# Altium PCB ESP32-SIM800C_KIEN.PcbDoc (part 2 of 2)
Units mm, origin at the board's own origin, x right, y up, seen from the top; angles counter-clockwise.
Board outline 122.45 x 88.5 mm, 4 copper layers (Top Layer, Int1 (GND), Int2 (PWR), Bottom Layer), stack 1.369 mm thick; 148 components, 93 nets, 483 pads, 250 vias.
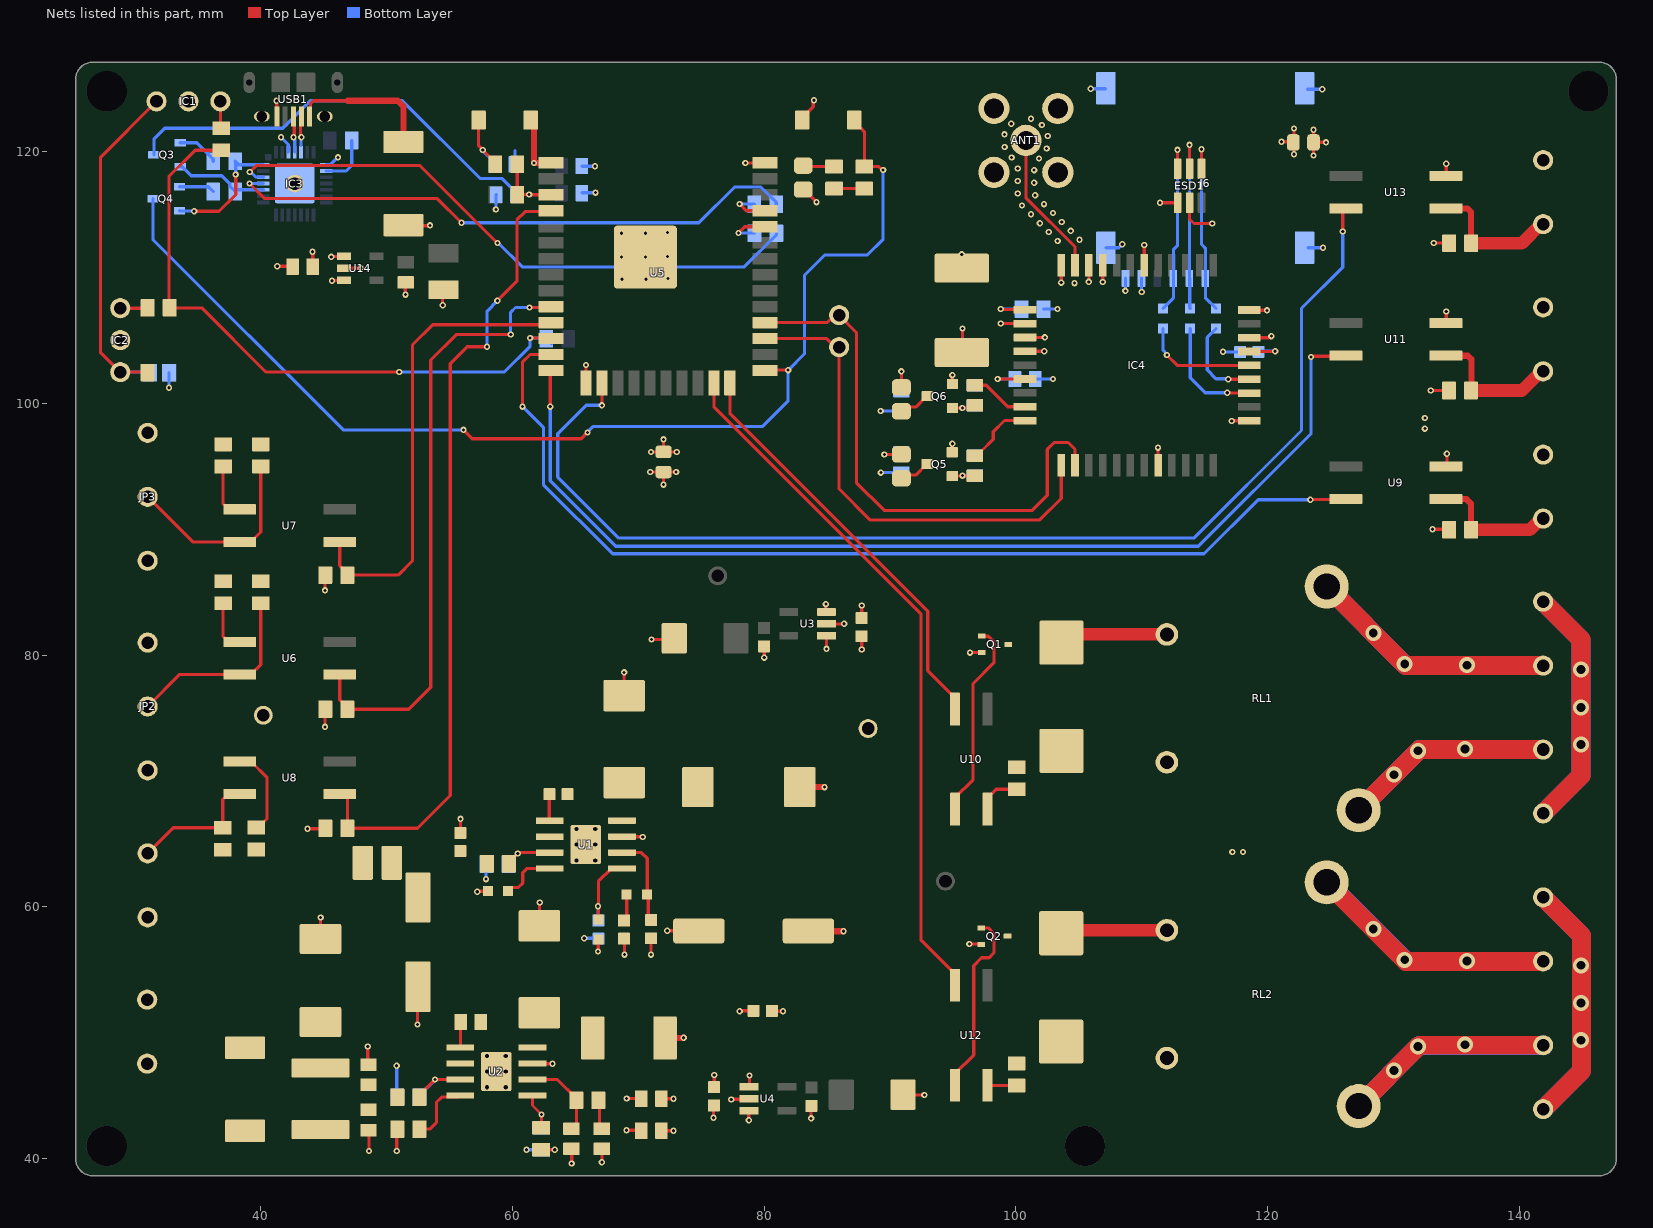
[diagram p4: the nets of this part, all layers, seen from the top]

## Via types
v1: diameter 0.5, hole 0.25, Top Layer to Bottom Layer, tented both sides, 229 vias
v2: diameter 1.27, hole 0.7, Top Layer to Bottom Layer, 19 vias
v3: diameter 1.27, hole 0.711, Top Layer to Bottom Layer, 2 vias

## Nets (pads, with @x,y where several pads share a name; then routed paths per layer and width w, separated by ;. In a path a pad name is that pad's centre, name@x,y a point inside that pad or via, vN(x,y) a via of type N, cw(c..) or ccw(c..) an arc to the next point about the centre after c; other vN are vias at no path point) (continued)
4.4V: 4V4.1 C4.1 C5.2 C16.2 C19.2 C29.1 C30.1 IC4.34 IC4.35 L1.2 R1.2 R44.1 R45.1 U3.1 U3.3 U4.1 U4.3 | length 22.1
  Top Layer w0.254: v1(66.8,56.45) 66.813,56.463 66.813,57.379 R1.2@66.826,57.392 ; C19.2@76.033,45.59 v1@76.033,46.636 ; v1(78.778,43.041) 78.778,43.778 U4.3@78.8,43.8 ; U4.1@78.827,45.561 v1@78.827,46.59 ; C5.2@80.607,51.735 80.642,51.7 v1(81.5,51.7) ; v1(84.9,84.05) 84.9,83.481 U3.3@84.951,83.43 ; v1(84.95,80.5) v1(84.95,80.5) U3.1@84.951,81.53 ; v1@87.745,80.455 C16.2@87.745,81.501 ; C30.1@95.7,104.05 95.75,104.1 v1(95.75,105.95) ; v1(98.8,106.35) 98.803,106.347 100.724,106.347 IC4.35@100.727,106.343 ; v1(98.8,107.5) 98.828,107.472 100.699,107.472 IC4.34@100.727,107.443
  Top Layer w0.5: L1.2@82.826,69.515 84.787,69.515 v1(84.794,69.508) ; C4.1@84.326,58.065 v1@86.287,58.065 ; v1@87.745,80.455 v1(87.75,80.45)
  Bottom Layer w0.254: v1(89.25,99.4) 90.882,99.4 R45.1@90.901,99.382 ; v1(89.268,94.502) R44.1@90.901,94.502 ; v1(98.8,107.5) 100.446,107.5 C29.1@100.451,107.495
  other v1: 78.828,46.591 76.028,46.641 86.294,58.058
5V: 5V.1 C9.2 C12.2 C28.2 D5.2 D6.2 D7.2 IC3.8 L3.2 R7.2 R28.2 R30.2 RL1.1 RL2.1 U9.4 U11.4 U13.4 U14.1 U14.3 | length 12.4
  Top Layer w0.254: C28.2@44.122,111.071 v1@44.122,112.028 ; v1(45.6,111.65) 45.622,111.672 46.579,111.672 U14.1@46.601,111.694 ; v1@45.672,109.772 U14.3@46.629,109.772 ; D7.2@52.471,114.128 v1@53.428,114.128 ; R7.2@62.266,40.692 62.274,40.7 v1(63.35,40.7) ; C9.2@71.829,42.21 71.839,42.2 v1(72.8,42.2) ; C12.2@71.829,44.75 v1(72.8,44.75) ; U11.4@134.2,106.365 v1(134.2,107.3) ; U13.4@134.2,118.115 v1(134.2,119.05) ; U9.4@134.25,95.065 v1(134.25,96)
  Top Layer w0.5: L3.2@72.126,49.576 73.576,49.576 v1(73.6,49.6)
  Bottom Layer w0.254: IC3.8@45.194,118.975 45.217,118.998 45.567,118.998 46.128,119.558 v1(46.135,119.558)
  other v1: 117.2,64.35 118.05,64.35 132.5,98 132.5,98.85 45.65,109.75 44.1,112.05 53.45,114.15
12V: C10.2 C11.2 D2.2 F1.2 JP2.3 JP3.3 L2.1 R8.2 R15.2 R16.2 R17.2 R18.2 R22.2 R23.2 U2.2
BUTTON: JP4.2 R22.1 U8.2 | length 10.6
  Top Layer w0.254: JP4.2@31,64.25 33.039,66.289 R22.1@36.971,66.289 36.971,68.537 37.12,68.686 38.047,68.686 U8.2@38.32,68.959
DGND: C21.1 C22.1 C23.1 C24.2 R50.2 SW1.1 U5.1 U5.15 U5.38 U5.39 | length 15.3
  Top Layer w0.254: v1(65.843,103.059) 65.845,103.057 U5.15@65.845,101.616 ; v1(71,96.15) R50.2@72,96.15 v1(72,97.15) ; R50.2@72.05,96.15 v1(73.05,96.15) ; v1(78.5,119.1) 80.034,119.1 U5.38@80.06,119.126
  Top Layer w0.5: SW1.1@61.45,122.519 SW1.1@61.452,122.517 61.7,122.269 v1(61.7,119.1) 63.034,119.1 U5.1@63.06,119.126
  Bottom Layer w0.254: v1(58.675,115.42) 58.675,116.557 C23.1@58.704,116.586 ; C24.2@60.177,118.999 60.2,119.022 60.2,120.1 ; C21.1@65.511,116.713 65.548,116.75 v1(66.6,116.75) ; C22.1@65.511,118.872 65.533,118.85 v1(66.55,118.85)
  other v1: 68.71,109.876 70.61,109.876 72.36,109.926 68.66,111.626 70.56,111.626 72.31,111.676 68.66,113.526 70.56,113.526 72.31,113.576
EN: C23.2 Q3.3 R13.2 R14.2 U5.3 | length 40.6
  Top Layer w0.254: R14.2@60.379,118.999 R13.2@60.379,116.586 60.39,116.597 v1(61.323,116.597) ; v1@61.312,116.586 U5.3@63.06,116.586
  Bottom Layer w0.254: Q3.3@31.502,119.761 31.522,119.781 31.522,121.029 32.367,121.875 41.735,121.875 43.911,124.05 51.249,124.05 57.413,117.886 59.154,117.886 60.304,116.736 C23.2@60.304,116.586 60.315,116.597 v1(61.323,116.597)
IO0: Q4.3 R33.2 SW2.1 U5.25 | length 92.5
  Top Layer w0.254: v1(56.1,97.9) 56.8,97.2 65.45,97.2 v1(65.95,97.7) ; U5.25@80.06,102.616 80.094,102.65 v1(81.9,102.65) ; SW2.1@87.16,122.517 87.16,122.338 87.604,121.894 87.656,121.894 87.963,121.587 R33.2@87.963,118.82 89.114,118.82 89.383,118.55 v1(89.45,118.55)
  Bottom Layer w0.254: Q4.3@31.434,116.271 31.434,113.016 46.55,97.9 v1(56.1,97.9) ; v1(65.95,97.7) 66.425,98.175 79.874,98.175 81.9,100.201 v1(81.9,102.65) 83.2,103.95 83.2,110.2 84.8,111.8 88.2,111.8 89.45,113.05 v1(89.45,118.55)
NetANT1_1: ANT1.1 IC4.32 | length 11.5
  Top Layer w0.254: ANT1.1@100.8,120.9 100.8,116.35 104.699,112.451 IC4.32@104.699,110.977
NetC1_1: C1.1 U1.1 | length 2.1
  Top Layer w0.254: C1.1@62.925,68.95 62.925,66.87 U1.1@62.947,66.848
NetC1_2: C1.2 D1.2 L1.1 U1.8
NetC2_1: C2.1 C3.2 L2.2 R2.2 U1.2
NetC6_2: C6.2 R3.2 U1.6 | length 7.2
  Top Layer w0.254: U1.6@68.697,64.308 70.242,64.308 70.7,63.85 70.7,61.012 R3.2@70.674,60.986 70.784,60.876 70.784,59.187 C6.2@71.017,58.954
NetC7_2: C7.2 R3.1 | length 2.2
  Top Layer w0.254: C7.2@68.858,58.917 69.074,59.133 R3.1@69.074,60.986
NetC8_1: C8.1 D3.2 L3.1 U2.8
NetC8_2: C8.2 U2.1 | length 2
  Top Layer w0.254: U2.1@55.835,48.814 55.878,48.857 C8.2@55.878,50.846
NetC13_2: C13.2 R9.2 U2.6 | length 6.7
  Top Layer w0.254: U2.6@61.585,46.274 63.573,46.274 65.074,44.773 R9.2@65.074,44.623 65.074,42.74 64.701,42.367 C13.2@64.679,42.367
NetC14_2: C14.2 R9.1 | length 2.4
  Top Layer w0.254: R9.1@66.824,44.623 66.905,44.541 66.905,42.554 C14.2@67.092,42.367
NetC24_1: C24.1 R14.1 SW1.2 | length 5.6
  Top Layer w0.254: SW1.2@57.302,122.517 57.302,120.476 v1(57.639,120.139) 58.629,119.149 R14.1@58.629,118.999
  Bottom Layer w0.254: v1(57.639,120.139) 57.639,120.087 58.577,119.149 C24.1@58.577,118.999
NetC25_1: C25.1 IC1.1 IC2.1 R21.1 | length 29
  Top Layer w0.254: R21.1@31.225,102.45 31.186,102.489 IC2.1@28.829,102.489 27.25,104.068 27.25,119.54 IC1.1@31.71,124
  Bottom Layer w0.254: IC2.1@28.829,102.489 31.311,102.489 C25.1@31.35,102.45
NetD4_1: D4.1 JP1.1
NetD4_2: D4.2 F1.1
NetD5_1: D5.1 Q1.3 RL1.2 | length 8.6
  Top Layer w1: D5.1@103.619,80.999 104.267,81.647 RL1.2@111.997,81.647
NetD6_1: D6.1 Q2.3 RL2.2 | length 8.5
  Top Layer w1: D6.1@103.996,56.984 105.152,58.14 RL2.2@111.997,58.14
NetD8_1: D8.1 R34.2 | length 2.5
  Top Layer w0.254: D8.1@83.1,118.9 83.18,118.82 R34.2@85.55,118.82
NetESD1_4: ESD1.4 J6.3 R42.2 | length 14.7
  Top Layer w0.254: ESD1.4@114.75,118.65 v1(114.75,120.2)
  Bottom Layer w0.254: v1(114.75,120.2) 114.75,112.65 115.06,112.34 J6.3@115.06,109.947 115.06,108.39 R42.2@115.9,107.55
NetESD1_5: ESD1.5 J6.7 R43.2 | length 14.9
  Top Layer w0.254: ESD1.5@113.8,118.65 v1(113.8,120.55)
  Bottom Layer w0.254: v1(113.8,120.55) 113.79,120.54 J6.7@113.79,109.947 113.82,109.917 113.82,107.58 R43.2@113.85,107.55
NetESD1_6: ESD1.6 J6.2 R41.2 | length 14.6
  Top Layer w0.254: ESD1.6@112.85,118.65 v1(112.85,120.15)
  Bottom Layer w0.254: R41.2@111.7,107.55 112.52,108.37 J6.2@112.52,109.947 112.52,112.23 112.85,112.56 v1(112.85,120.15)
NetIC1_3: IC1.3 R25.1 | length 2.1
  Top Layer w0.254: IC1.3@36.79,124 36.79,121.935 R25.1@36.85,121.875
NetIC2_3: IC2.3 R26.1 | length 2.2
  Top Layer w0.254: IC2.3@28.829,107.569 R26.1@31,107.569
NetIC3_9: IC3.9 R37.2 | length 4.2
  Bottom Layer w0.254: IC3.9@45.194,118.475 46.775,118.475 47.225,118.925 R37.2@47.225,120.9
NetIC3_25: IC3.25 R36.2 | length 46.1
  Top Layer w0.254: v1(39.1,117.479) 40.299,116.28 54.027,116.28 v1(55.948,114.359)
  Bottom Layer w0.254: v1(39.1,117.479) 39.102,117.477 40.192,117.477 IC3.25@40.194,117.475 ; v1(55.948,114.359) 74.809,114.359 77.65,117.2 79.727,117.2 80.953,115.974 R36.2@80.953,115.824
NetIC3_26: IC3.26 R35.2 | length 47.8
  Top Layer w0.254: v1(39.123,118.391) 39.632,118.9 52.65,118.9 v1(58.8,112.75)
  Bottom Layer w0.254: v1(39.123,118.391) 39.19,118.391 39.584,117.998 40.171,117.998 IC3.26@40.194,117.975 ; v1(58.8,112.75) 58.867,112.75 60.767,110.85 78.429,110.85 80.967,113.388 R35.2@80.967,113.538
NetIC4_39: IC4.39 R40.1 | length 3.6
  Top Layer w0.254: v1(98.55,101.95) 98.557,101.943 IC4.39@100.727,101.943
  Bottom Layer w0.254: v1(98.55,101.95) 99.92,101.95 R40.1@99.927,101.943
NetJP5_1: JP5.1 JP6.2 | length 38.6
  Top Layer w1.5: JP6.2@141.9,67.42 144.9,70.42 144.9,81.25 JP5.1@141.9,84.25
  Bottom Layer w1.5: JP6.2@141.9,67.42 141.9,67.423 144.903,70.426 144.903,81.243 141.9,84.246 JP5.1@141.9,84.25
  other v2: 144.9,72.9 144.9,75.85 144.9,78.85
NetJP5_2: JP5.2 RL1.3 | length 39.6
  Top Layer w1.5: RL1.3@124.697,85.457 130.984,79.17 JP5.2@141.9,79.17
  Bottom Layer w1.5: RL1.3@124.697,85.457 124.703,85.457 130.995,79.166 141.896,79.166 JP5.2@141.9,79.17
  other v2: 135.85,79.2 130.9,79.3 128.4,81.75
NetJP6_1: JP6.1 RL1.4 | length 33.3
  Top Layer w1.5: RL1.4@127.237,67.677 132.06,72.5 JP6.1@141.9,72.5
  Bottom Layer w1.5: RL1.4@127.237,67.677 127.237,67.687 132.05,72.5 JP6.1@141.9,72.5
  other v2: 130.05,70.5 131.95,72.4 135.7,72.55
NetJP7_1: JP7.1 JP8.2 | length 38.7
  Top Layer w1.5: JP8.2@141.9,43.92 144.95,46.97 144.95,57.7 JP7.1@141.9,60.75
  Bottom Layer w1.5: JP8.2@141.9,43.92 141.9,43.927 144.953,46.98 144.953,57.691 141.9,60.744 JP7.1@141.9,60.75
  other v2: 144.9,49.4 144.9,52.35 144.9,55.35
NetJP7_2: JP7.2 RL2.3 | length 39.6
  Top Layer w1.5: RL2.3@124.697,61.95 130.977,55.67 JP7.2@141.9,55.67
  Bottom Layer w1.5: RL2.3@124.697,61.95 124.75,61.95 131.045,55.655 141.885,55.655 JP7.2@141.9,55.67
  other v2: 135.85,55.693 135.85,55.693 130.9,55.793 128.4,58.243
  other v3: 130.9,55.793 128.4,58.243
NetJP8_1: JP8.1 RL2.4 | length 33.3
  Top Layer w1.5: RL2.4@127.237,44.17 132.067,49 JP8.1@141.9,49
  Bottom Layer w1.5: RL2.4@127.237,44.17 127.238,44.17 132.061,48.992 141.892,48.992 JP8.1@141.9,49
  other v2: 130.05,46.993 131.95,48.893 135.7,49.043
NetLED1_1: LED1.1 R44.2 | length 2.8
  Top Layer w0.254: v1(89.55,95.95) LED1.1@90.9,95.95
  Bottom Layer w0.254: v1(89.55,95.95) 90.749,95.95 R44.2@90.901,96.102
NetLED1_2: LED1.2 Q5.3 | length 2.5
  Top Layer w0.254: LED1.2@90.9,94.05 91.157,94.307 92.031,94.307 92.899,95.175 Q5.3@92.949,95.175
NetLED2_1: LED2.1 R45.2 | length 2.8
  Top Layer w0.254: LED2.1@90.9,101.282 v1(90.9,102.55)
  Bottom Layer w0.254: R45.2@90.9,100.982 v1(90.9,102.55)
NetLED2_2: LED2.2 Q6.3 | length 2.6
  Top Layer w0.254: LED2.2@90.901,99.382 91.227,99.708 92.032,99.708 92.915,100.591 Q6.3@92.965,100.591
NETLIGHT: IC4.41 R47.1 | length 4.7
  Top Layer w0.254: R47.1@96.743,101.452 97.648,101.452 99.357,99.743 IC4.41@100.727,99.743
NetQ1_1: Q1.1 U10.3 | length 15.7
  Top Layer w0.254: U10.3@95.155,67.766 95.155,68.666 96.6,70.111 96.6,77.75 98.271,79.421 98.271,81.029 97.797,81.503 97.293,81.503 Q1.1@97.285,81.511
NetQ2_1: Q2.1 U12.3 | length 14.9
  Top Layer w0.254: U12.3@95.155,45.825 95.155,46.725 96.65,48.22 96.65,55.331 97.269,55.95 97.874,55.95 98.263,56.34 98.263,57.859 97.799,58.323 Q2.1@97.235,58.323
NetQ3_2: Q3.2 R38.1 | length 3.3
  Bottom Layer w0.254: Q3.2@33.602,120.711 34.907,120.711 36.215,119.403 R38.1@36.215,119.253
NetQ4_2: Q4.2 R39.1 | length 2.8
  Bottom Layer w0.254: Q4.2@33.534,117.221 35.834,117.221 R39.1@36.215,116.84
NetQ5_1: Q5.1 R46.2 R48.1 | length 2.8
  Top Layer w0.254: Q5.1@94.949,94.225 96.72,94.225 R46.2@96.743,94.248
  Bottom Layer w0.254: v1(95.755,94.261) 96.729,94.261 R48.1@96.743,94.248
NetQ6_1: Q6.1 R47.2 R49.1 | length 2.9
  Top Layer w0.254: Q6.1@94.965,99.641 v1(95.748,99.641) 96.532,99.641 R47.2@96.743,99.852
  Bottom Layer w0.254: v1(95.748,99.641) 96.532,99.641 R49.1@96.743,99.852
NetR1_1: R1.1 R4.2 U1.5 | length 6.5
  Top Layer w0.254: R1.1@66.826,58.992 66.826,62.017 67.847,63.038 U1.5@68.697,63.038
  Bottom Layer w0.254: v1(66.8,60.05) 66.8,59.15 66.85,59.1 66.826,59.076 R4.2@66.826,58.917
NetR2_1: R2.1 R5.2 U1.3 | length 4.9
  Top Layer w0.254: R2.1@59.726,63.419 59.726,63.569 60.465,64.308 U1.3@62.947,64.308
  Bottom Layer w0.254: R5.2@59.675,63.4 59.675,63.525 59.65,63.55 59.729,63.55 v1(60.42,64.241)
NetR6_1: R6.1 U1.4 | length 4.5
  Top Layer w0.254: R6.1@59.637,61.26 59.91,61.533 60.456,61.533 60.811,61.888 60.811,62.711 61.138,63.038 U1.4@62.947,63.038
NetR7_1: R7.1 R10.2 U2.5 | length 3.9
  Top Layer w0.254: U2.5@61.585,45.004 61.585,44.215 v1(62.3,43.5) 62.3,42.476 R7.1@62.266,42.442
  Bottom Layer w0.254: R10.2@62.266,42.442 62.3,42.476 v1(62.3,43.5)
NetR8_1: R8.1 R11.2 U2.3 | length 5.8
  Top Layer w0.254: R8.1@52.6,44.877 52.6,45.027 53.623,46.05 v1(53.847,46.274) U2.3@55.835,46.274
  Bottom Layer w0.254: R11.2@52.6,44.877 52.6,45.027 v1(53.847,46.274)
NetR12_1: R12.1 U2.4 | length 5.3
  Top Layer w0.254: R12.1@52.6,42.337 53.437,42.337 53.95,42.85 53.95,44.45 54.381,44.881 55.712,44.881 U2.4@55.835,45.004
NetR16_1: R16.1 U6.1 | length 4.1
  Top Layer w0.254: R16.1@37,84.125 37,81.478 37.42,81.058 U6.1@38.32,81.058
NetR18_1: R18.1 U7.1 | length 4.5
  Top Layer w0.254: R18.1@37,95 37,92.012 37.42,91.592 U7.1@38.32,91.592
NetR19_2: R19.2 U5.10 U6.3 | length 48.7
  Top Layer w0.254: U6.3@46.27,78.468 46.27,76.454 46.875,75.849 R19.2@46.875,75.699 51.749,75.699 53.5,77.45 53.5,103.45 55.525,105.475 v1(59.858,105.475) ; v1(61.349,107.625) 62.989,107.625 U5.10@63.06,107.696
  Bottom Layer w0.254: v1(59.858,105.475) 59.85,105.484 59.85,107.235 60.24,107.625 v1(61.349,107.625)
NetR20_2: R20.2 U5.11 U7.3 | length 37.4
  Top Layer w0.254: U7.3@46.27,89.002 46.27,87.115 46.875,86.51 R20.2@46.875,86.36 50.91,86.36 52.05,87.5 52.05,104.65 53.65,106.25 62.884,106.25 U5.11@63.06,106.426
NetR23_1: R23.1 U8.1 | length 7.1
  Top Layer w0.254: U8.1@38.32,71.549 39.22,71.549 40.5,70.269 40.5,67.015 40.211,66.726 39.788,66.303 R23.1@39.638,66.303
NetR24_1: R24.1 R25.2 R26.2 U5.12 | length 51.3
  Top Layer w0.254: R25.2@36.85,120.125 34.775,120.125 32.7,118.05 32.7,107.65 32.757,107.593 35.307,107.593 40.4,102.5 v1(51,102.5) ; v1(61.4,105.2) 63.016,105.2 U5.12@63.06,105.156
  Bottom Layer w0.254: v1(51,102.5) 59.35,102.5 61.4,104.55 v1(61.4,105.2) 62.625,105.2 R24.1@62.675,105.15 R24.1@63.098,104.727
NetR27_2: R27.2 U5.4 U8.3 | length 64.3
  Top Layer w0.254: U8.3@46.27,68.959 46.602,68.959 46.875,68.686 R27.2@46.875,66.25 52.45,66.25 55.05,68.85 55.05,103.15 56.406,104.506 v1(57.976,104.506) ; v1(58.796,108.159) 60.35,109.713 60.35,114.586 61.009,115.245 62.989,115.245 U5.4@63.06,115.316
  Bottom Layer w0.254: v1(57.976,104.506) 57.976,107.339 v1(58.796,108.159)
NetR28_1: R28.1 U10.4 | length 3.4
  Top Layer w0.254: U10.4@97.895,67.766 97.895,68.816 98.018,68.939 98.031,68.939 98.434,69.342 R28.1@100.063,69.342
NetR30_1: R30.1 U12.4 | length 2.3
  Top Layer w0.254: U12.4@97.745,45.825 97.77,45.8 R30.1@100.063,45.8
NetR35_1: R35.1 U5.34 | length 3.6
  Top Layer w0.254: v1(77.95,113.55) 78.446,114.046 U5.34@80.06,114.046
  Bottom Layer w0.254: v1(77.95,113.55) 79.205,113.55 R35.1@79.217,113.538
NetR36_1: R36.1 U5.35 | length 3.4
  Top Layer w0.254: v1(78.05,115.85) 78.584,115.316 U5.35@80.06,115.316
  Bottom Layer w0.254: v1(78.05,115.85) 79.177,115.85 R36.1@79.203,115.824
NetU5_13: U5.13 U9.2 | length 80.8
  Top Layer w0.254: v1(60.8,99.75) 60.8,103.3 61.386,103.886 U5.13@63.06,103.886 ; v1(123.4,92.35) 123.428,92.378 126.197,92.378 U9.2@126.225,92.405
  Bottom Layer w0.254: v1(60.8,99.75) 62.45,98.1 62.45,93.55 67.95,88.05 114.95,88.05 119.25,92.35 v1(123.4,92.35)
NetU5_14: U5.14 U11.2 | length 84
  Top Layer w0.254: v1(63,99.75) 63,102.556 U5.14@63.06,102.616 ; v1(123.45,103.7) 123.497,103.747 126.172,103.747 U11.2@126.225,103.8
  Bottom Layer w0.254: v1(63,99.75) 63,93.85 68.2,88.65 114.5,88.65 123.45,97.6 v1(123.45,103.7)
NetU5_16: U5.16 U13.2 | length 93.3
  Top Layer w0.254: v1(67.1,99.85) 67.115,99.865 U5.16@67.115,101.616 ; v1(125.971,113.671) 125.971,115.496 U13.2@126,115.525
  Bottom Layer w0.254: v1(67.1,99.85) 65.85,99.85 63.6,97.6 63.6,94.15 68.45,89.3 114.15,89.3 122.7,97.85 122.7,107.55 125.971,110.821 v1(125.971,113.671)
NetU5_23: U5.23 U12.2 | length 55.8
  Top Layer w0.254: U5.23@76.005,101.616 76.005,99.745 92.45,83.3 92.45,57.38 95.155,54.675 U12.2@95.155,53.775
NetU5_24: U5.24 U10.2 | length 33.3
  Top Layer w0.254: U5.24@77.275,101.616 77.275,99.225 93,83.5 93,78.771 95.155,76.616 U10.2@95.155,75.716
OUT1: JP9.2 R29.2 U9.3 | length 10.3
  Top Layer w0.5: U9.3@134.175,92.405 135.795,92.405 136,92.2 136.171,92.029 R29.2@136.171,89.966
  Top Layer w1: R29.2@136.171,89.966 140.849,89.966 141.738,90.855 JP9.2@141.9,90.855
OUT2: JP10.2 R31.2 U11.3 | length 11
  Top Layer w0.5: U11.3@134.175,103.8 134.18,103.795 135.907,103.795 136.2,103.502 136.2,101.06 R31.2@136.171,101.031
  Top Layer w1: R31.2@136.171,101.031 140.214,101.031 141.738,102.555 JP10.2@141.9,102.555
OUT3: JP11.2 R32.2 U13.3 | length 11
  Top Layer w0.5: U13.3@134.175,115.5 135.878,115.5 136.171,115.207 R32.2@136.171,112.731
  Top Layer w1: R32.2@136.171,112.731 140.214,112.731 141.738,114.255 JP11.2@141.9,114.255
PGND: C2.2 C3.1 C4.2 C5.1 C6.1 C7.1 C9.1 C10.1 C11.1 C12.1 C13.1 C14.1 C15.2 C16.1 C17.1 C18.2 C19.1 C20.1 C25.2 C26.2 C27.1 C28.1 D1.1 D2.1 D3.1 D8.2 IC1.2 IC2.2 IC3.3 IC3.29 JP1.2 JP2.1 JP3.1 JP4.1 JP9.1 JP10.1 JP11.1 Q1.2 Q2.2 R4.1 R5.1 R6.2 R10.1 R11.1 R12.2 R19.1 R20.1 R27.1 R29.1 R31.1 R32.1 R50.1 R51.1 SW2.2 U1.7 U1.9 U2.7 U2.9 U3.2 U4.2 U14.2 USB1.5 USB1.6 USB1.7 | length 71.1
  Top Layer w0.254: v1(41.25,124.05) 41.266,124.034 41.266,122.825 USB1.5@41.282,122.809 ; v1(41.3,110.9) 42.5,110.9 C28.1@42.529,110.871 ; v1(43.7,66.2) 45.075,66.2 R27.1@45.125,66.25 ; D2.1@44.75,57.75 v1(44.75,59.145) ; v1(45.1,74.3) R19.1@45.1,75.625 ; v1(45.1,85.15) R20.1@45.1,86.475 ; U14.2@46.601,110.744 46.604,110.747 47.947,110.747 v1(47.95,110.75) ; v1(48.5,48.9) 48.5,47.505 C10.1@48.55,47.455 ; C11.1@48.55,42.261 48.6,42.211 v1(48.6,40.6) ; v1(50.8,40.6) 50.8,42.287 R12.2@50.85,42.337 ; v1@51.478,108.672 C27.1@51.478,109.629 ; v1(52.45,50.655) C2.2@52.45,52.05 ; v1@54.428,107.822 C26.2@54.428,108.779 ; C3.1@55.85,65.875 55.868,65.893 v1(55.868,66.989) ; v1(57.2,61.2) 57.23,61.23 58.007,61.23 R6.2@58.037,61.26 ; U2.7@61.789,47.532 v1(63.184,47.532) ; D3.1@62.139,58.487 62.139,60.326 v1(62.163,60.35) ; C13.1@64.679,40.767 64.7,40.746 v1(64.7,39.6) ; v1(67.1,39.7) C14.1@67.1,40.846 ; U1.7@68.697,65.578 68.711,65.564 70.336,65.564 v1(70.35,65.55) ; C7.1@68.858,57.467 68.9,57.425 v1(68.9,56.2) ; D1.1@68.87,76.775 v1(68.871,78.629) ; v1(69.05,42.25) 70.189,42.25 C9.1@70.229,42.21 ; v1(69.07,44.77) C12.1@70.209,44.77 ; v1(70.95,94.55) R50.1@71.95,94.55 ; v1(71,56.2) 71,57.487 C6.1@71.017,57.504 ; v1(71.05,81.25) C15.2@72.778,81.25 ; v1(72,93.55) R50.1@72,94.55 v1(73,94.55) ; v1(72.3,58.1) 74.792,58.1 C4.2@74.807,58.085 ; v1(75.978,43.241) C19.1@75.978,44.235 ; v1@77.398,44.711 U4.2@78.777,44.711 ; v1(78.05,51.7) 78.085,51.735 C5.1@79.157,51.735 ; v1(80,79.8) C17.1@80,80.7 ; SW2.2@83.01,122.517 83.01,122.695 83.903,123.589 83.903,124.053 v1(83.95,124.1) ; D8.2@83.137,117.122 83.137,117.038 84.15,116.025 v1(84.15,116) ; v1(83.728,43.191) 83.728,44.156 C20.1@83.753,44.181 ; U3.2@84.951,82.48 86.33,82.48 v1(86.35,82.5) ; C16.1@87.745,82.951 87.75,82.956 v1(87.75,83.95) ; C18.2@91.029,45.07 91.058,45.041 v1(92.728,45.041) ; v1(96.3,57.05) 96.314,57.037 97.164,57.037 Q2.2@97.178,57.05 ; v1(96.35,80.2) 96.355,80.205 97.28,80.205 Q1.2@97.285,80.211 ; v1(123.65,119.7) R51.1@123.65,120.7 ; v1(123.65,121.75) R51.1@123.65,120.75 v1(124.65,120.75) ; v1(132.967,101.022) 134.412,101.022 R31.1@134.421,101.031 ; v1(133.1,90) 134.26,90 R29.1@134.294,89.966 ; v1(133.2,112.75) 134.275,112.75 R32.1@134.294,112.731
  Bottom Layer w0.254: v1(32.7,101.25) C25.2@32.7,102.45 ; v1(41.6,121.15) 42.171,120.579 42.171,119.998 IC3.3@42.194,119.975 ; v1(50.793,47.371) 50.793,44.934 R11.1@50.85,44.877 ; v1(57.9,62.2) 57.9,63.375 R5.1@57.925,63.4 ; v1(61.116,40.692) R10.1@62.262,40.692 ; v1(65.7,57.5) 66.793,57.5 R4.1@66.826,57.467
  other v1: 77.378,44.691 54.45,107.8 51.5,108.65
SENSOR1: JP2.2 R15.1 U6.2 | length 15.3
  Top Layer w0.254: JP2.2@31,75.92 33.548,78.468 U6.2@38.32,78.468 39.22,78.468 40,79.248 R15.1@40,84.125
SENSOR2: JP3.2 R17.1 U7.2 | length 16
  Top Layer w0.254: JP3.2@31,92.58 34.578,89.002 U7.2@38.32,89.002 39.22,89.002 40,89.782 R17.1@40,95
SGND: ANT1.2 ANT1.3 ANT1.4 ANT1.5 C29.2 C30.2 C31.2 ESD1.2 IC4.8 IC4.13 IC4.19 IC4.21 IC4.27 IC4.30 IC4.31 IC4.33 IC4.36 IC4.37 J6.5 Q5.2 Q6.2 R40.2 R48.2 R49.2 R51.2 | length 32.2
  Top Layer w0.254: Q5.2@94.95,96.105 v1(94.95,96.8) ; v1(94.95,102.25) 94.95,101.555 Q6.2@94.965,101.541 ; IC4.37@100.727,104.143 102.243,104.143 v1(102.25,104.15) ; IC4.36@100.727,105.243 102.293,105.243 v1(102.3,105.25) ; v1(103.6,109.6) IC4.33@103.599,110.976 ; v1(105.785,109.661) 105.799,109.674 IC4.31@105.799,110.977 ; v1@106.899,109.651 IC4.30@106.899,110.976 ; IC4.27@110.199,110.978 v1@110.199,112.599 ; v1(111.294,96.489) 111.299,96.484 IC4.8@111.299,95.077 ; ESD1.2@113.8,115.95 113.8,114.651 114.151,114.3 v1(115.6,114.3) ; v1(117.15,98.6) 117.177,98.627 IC4.13@118.549,98.627 ; IC4.19@118.549,105.227 120.11,105.227 120.233,105.35 v1(120.3,105.35) ; IC4.21@118.549,107.427 118.562,107.414 119.936,107.414 v1(119.95,107.4) ; v1(121.1,120.8) 122.1,120.8 v1(122.1,119.8) ; R51.2@122.1,120.85 v1(122.1,121.85)
  Bottom Layer w0.254: R40.2@101.527,101.943 101.534,101.95 v1(102.95,101.95) ; C29.2@102.201,107.495 102.206,107.5 v1(103.3,107.5) ; v1(105.944,125.006) J6.5@107.104,125.006 ; J6.5@107.15,112.373 108.173,112.373 v1(108.45,112.65) ; v1(108.7,108.95) 108.71,108.96 J6.5@108.71,109.947 ; v1(116.461,104.106) 116.467,104.1 C31.2@117.825,104.1 ; J6.5@123.19,124.973 v1(124.35,124.973) ; J6.5@123.24,112.373 v1(124.4,112.373)
  other v1: 104.664,109.562 106.9,109.65 95.7,111.85 110.2,112.6 103.318,112.911 105.063,113.008 102.611,113.618 104.356,113.715 101.904,114.325 103.649,114.422 101.197,115.032 102.942,115.129 100.49,115.739 102.235,115.836 101.528,116.543 100.149,116.679 101.451,117.54 100.149,117.679 101.451,118.54 100.149,118.679 101.829,119.466 99.66,119.551 102.442,120.256 99.106,120.384 102.533,121.252 99.1,121.384 102.064,122.135 99.635,122.229 101.193,122.627
SIM-CLK: IC4.16 R42.1 | length 7.2
  Top Layer w0.254: v1(116.872,101.929) 116.873,101.928 118.548,101.928 IC4.16@118.549,101.927
  Bottom Layer w0.254: R42.1@115.9,105.95 115.2,105.25 115.2,102.665 115.895,101.971 116.831,101.971 v1(116.872,101.929)
SIM-DATA: IC4.15 R43.1 | length 9.1
  Top Layer w0.254: v1(116.799,100.849) 116.81,100.838 118.538,100.838 IC4.15@118.549,100.827
  Bottom Layer w0.254: R43.1@113.85,105.95 113.85,102.05 115.051,100.849 v1(116.799,100.849)
SIM-RST: IC4.17 R41.1 | length 9.1
  Top Layer w0.254: v1(112,103.85) 112.827,103.023 116.791,103.023 116.793,103.025 118.547,103.025 IC4.17@118.549,103.027
  Bottom Layer w0.254: R41.1@111.7,105.95 111.7,104.217 112,103.917 v1(112,103.85)
SIM-VDD: C31.1 ESD1.1 IC4.18 J6.1 | length 5.9
  Top Layer w0.254: v1(111.45,115.95) ESD1.1@112.85,115.95 ; IC4.18@118.549,104.127 118.56,104.139 120.589,104.139 v1(120.6,104.15)
  Bottom Layer w0.254: J6.1@109.98,109.947 109.99,109.937 109.99,108.86 v1(110,108.85) ; C31.1@119.275,104.1 119.325,104.15 v1(120.6,104.15)
SIM_RX: GSM1.2 IC4.2 U5.28 | length 44.2
  Top Layer w0.254: U5.28@80.06,106.426 84.992,106.426 85.586,107.02 GSM1.2@85.95,107.02 87.33,105.64 87.33,93.711 89.541,91.5 101.298,91.5 102.5,92.702 102.5,96.35 103.05,96.9 104.15,96.9 104.699,96.351 IC4.2@104.699,95.077
SIM_TX: GSM1.1 IC4.1 U5.27 | length 39.4
  Top Layer w0.254: U5.27@80.06,105.156 84.956,105.156 85.632,104.48 GSM1.1@85.95,104.48 85.95,93.2 88.4,90.75 101.9,90.75 103.599,92.449 IC4.1@103.599,95.077
STATUS: IC4.42 R46.1 | length 5.5
  Top Layer w0.254: R46.1@96.743,95.848 96.893,95.848 97.266,96.221 98.2,97.155 98.2,97.75 99.093,98.643 IC4.42@100.727,98.643
USB3V3: R33.1 R34.1 | length 2.4
  Top Layer w0.254: R34.1@85.55,117.07 R33.1@87.963,117.07
USB_DTR: IC3.28 Q4.1 R38.2 | length 10
  Top Layer w0.254: v1(34.699,115.274) 36.674,115.274 38,116.6 v1(38,118.2)
  Bottom Layer w0.254: Q4.1@33.534,115.321 33.558,115.297 34.676,115.297 v1(34.699,115.274) ; R38.2@37.965,119.253 R38.2@38,119.218 ; v1(38,118.2) R38.2@38,119.218 ; IC3.28@40.194,118.975 38.243,118.975 R38.2@38,119.218
USB_N: IC3.5 USB1.2 | length 2.4
  Top Layer w0.254: v1(43.221,121.15) 43.173,121.197 43.173,121.388 43.161,121.4 43.161,122.738 USB1.2@43.232,122.809
  Bottom Layer w0.254: 43.202,120.509 43.202,121.132 v1(43.221,121.15)
USB_P: IC3.4 USB1.3 | length 2.7
  Top Layer w0.254: USB1.3@42.582,122.809 42.653,122.738 42.653,121.4
  Bottom Layer w0.254: v1(42.594,121.15) 42.594,121.083 42.694,120.983 IC3.4@42.694,119.975
USB_RTS: IC3.24 Q3.1 R39.2 | length 7.6
  Bottom Layer w0.254: Q3.1@33.602,118.811 33.752,118.811 34.463,118.1 36.9,118.1 37.183,117.817 37.542,117.458 37.542,117.263 R39.2@37.965,116.84 38.1,116.975 IC3.24@40.194,116.975
VCCUSB: D7.1 USB1.1 | length 11.5
  Top Layer w0.254: USB1.1@43.882,122.809 43.955,122.882 43.955,123.855 44.15,124.05 46.9,124.05
  Top Layer w0.5: 46.9,124.05 50.89,124.05 51.33,123.61 D7.1@51.33,120.777
pads on no net: ESD1.3 hole1.1 hole2.1 hole3.1 hole4.1 IC3. IC3.1 IC3.2 IC3.10 IC3.11 IC3.12 IC3.13 IC3.14 IC3.15 IC3.16 IC3.17 IC3.18 IC3.19 IC3.20 IC3.21 IC3.22 IC3.23 IC3.27 IC4.3 IC4.4 IC4.5 IC4.6 IC4.7 IC4.9 IC4.10 IC4.11 IC4.12 IC4.14 IC4.20 IC4.22 IC4.23 IC4.24 IC4.25 IC4.26 IC4.28 IC4.29 IC4.38 IC4.40 J6.6 U3.4 U4.4 U5.5 U5.6 U5.7 U5.8 U5.9 U5.17 U5.18 U5.19 U5.20 U5.21 U5.22 U5.26 U5.29 U5.30 U5.31 U5.32 U5.33 U5.36 U5.37 U14.4 USB1. USB1.4 USB1.8 USB1.9

## Polygon pours and split planes (outlines as drawn)
PGND on Top Layer "PGND_L01_P026" (solid, pour order 26): 25.4,38.75 147.6,38.75 147.6,127 25.4,127
SGND on Top Layer "SGND_L01_P024" (solid, pour order 24): 122.85,87.85 122.85,127 88.1,127 88.1,87.8
DGND on Top Layer "DGND_L01_P023" (solid, pour order 23): 57.9,95.35 82.85,95.35 82.85,127 57.9,127
5V on Top Layer "5V_L01_P021" (solid, pour order 21): 118.6,63.75 118.6,87.75 119.7,88.85 129.3,88.85 130.5,90.05 130.5,95.1 133.45,98.05 133.45,99.4 132.85,100 131.5,100 128.85,97.35 128.85,91.15 128.15,90.45 118.65,90.45 116.412,88.212 116.412,63.764
12V on Top Layer "12V_L01_P002" (solid, pour order 2): 36.2,65.1 48.8,65.1 49,64.9 49,50.7 47.5,49.2 47.5,46.7 51.5,46.7 52.7,47.9 57,47.9 57,47.05 53.05,47.05 51.75,45.75 51.75,44.2 51.7,44.2 50.75,43.25 48.05,43.25 47.3,44 47.3,44.45 46.8,44.95 42.9,44.95 42.1,45.75 42.1,52.1 36.2,58
12V on Top Layer "12V_L01_P016" (solid, pour order 16): 41.1,53.95 29.128,53.95 26.25,56.828 26.25,97.75 27.7,99.2 30.2,99.2 30.2,96.25 29.55,95.6 29.55,57.8 29.9,57.45 35.65,57.45 36.625,58.425
12V on Top Layer "12V_L01_P015" (solid, pour order 15): 40.75,85.3 35.6,85.3 32.65,82.35 32.65,80.4 31.95,79.7 29.6,79.7 29,80.3 29,86.4 40.75,86.4
12V on Top Layer "12V_L01_P014" (solid, pour order 14): 30.2,99.2 29.55,98.55 29.55,96.6 30.05,96.1 40.8,96.1 41.35,96.65 41.35,98.7 40.85,99.2
NetD5_1 on Top Layer "NETD5_1_L01_P012" (solid, pour order 12): 99.05,81.357 99.05,80.007 99.807,79.25 112.293,79.25 113.3,80.257 113.3,82.507 112.655,83.152 99.695,83.152 99.05,82.507
NetD6_1 on Top Layer "NETD6_1_L01_P011" (solid, pour order 11): 99.05,57.85 99.05,56.5 99.55,56 112.55,56 113.3,56.75 113.3,59 112.655,59.645 99.695,59.645 99.05,59
5V on Top Layer "5V_L01_P010" (solid, pour order 10): 99.35,46.993 113.35,46.993 114.2,47.843 114.2,50.443 113.6,51.043 99.5,51.043 99.35,50.893
5V on Top Layer "5V_L01_P009" (solid, pour order 9): 99.35,70.5 113.35,70.5 114.2,71.35 114.2,73.95 113.6,74.55 99.5,74.55 99.35,74.4
NetC1_2 on Top Layer "NETC1_2_L01_P007" (solid, pour order 7): 63.9,70.15 65.1,71.35 75.95,71.35 76.45,70.85 76.45,67.1 75.95,66.6 65.3,66.6 63.9,68
NetC2_1 on Top Layer "NETC2_1_L01_P006" (solid, pour order 6): 64.05,65.35 59.6,65.35 58.275,64.025 57.675,64.625 59,65.95 64.05,65.95
NetC2_1 on Top Layer "NETC2_1_L01_P005" (solid, pour order 5): 49.55,65 58.45,65 58.65,64.8 58.65,62.75 56.2,62.75 55.55,62.1 55.55,59.35 54.9,58.7 50.75,58.7 49.55,59.9
NetC8_1 on Top Layer "NETC8_1_L01_P003" (solid, pour order 3): 56.9,52.25 56.9,50.25 57.4,49.75 60.2,49.75 60.45,49.5 60.45,48.45 64.6,48.45 65.35,47.7 65.35,47.6 67.4,47.6 67.7,47.9 67.7,51.9 66.55,53.05 57.7,53.05
NetD4_2 on Top Layer "NETD4_2_L01_P001" (solid, pour order 1): 37.2,43.5 36.75,43.05 36.75,41 37.2,40.55 46.8,40.55 47.25,41 47.25,43.05 46.8,43.5
NetD4_1 on Top Layer "NETD4_1_L01_P000" (solid, pour order 0): 28.25,49.15 28.25,45.75 29,45 40.8,45 41.5,45.7 41.5,49.3 40.8,50 29.1,50
PGND on Bottom Layer "PGND_L04_P027" (solid, pour order 27): 25.4,38.75 147.6,38.75 147.6,127 25.4,127
SGND on Bottom Layer "SGND_L04_P025" (solid, pour order 25): 88.1,87.8 88.1,126.95 122.85,126.95 122.85,87.75
5V on Bottom Layer "5V_L04_P022" (solid, pour order 22): 118.6,63.75 118.6,87.75 119.7,88.85 129.3,88.85 130.5,90.05 130.5,95.1 133.45,98.05 133.45,99.4 132.85,100 131.5,100 128.85,97.35 128.85,91.15 128.15,90.45 118.65,90.45 116.412,88.212 116.412,63.764
DGND on Bottom Layer "DGND_L04_P017" (solid, pour order 17): 57.9,95.35 82.85,95.35 82.85,127 57.9,127
5V on Int2 (PWR) (split plane): 143.29,122.55 147.217,122.55 147.217,87.75 131.529,87.75 131.529,126.617 143.29,126.617
SIM-VDD on Int2 (PWR) (split plane): 125.271,110.379 121.85,110.379 121.8,110.37 121.758,110.342 121.73,110.3 121.721,110.25 121.721,93.829 100.379,93.829 100.379,107.721 108.75,107.721 108.8,107.73 108.842,107.758 108.87,107.8 108.879,107.85 108.879,126.617 125.271,126.617
3.3V_ESP on Int2 (PWR) (split plane): 131.271,87.75 120.5,87.75 120.5,75.729 101.7,75.729 101.65,75.72 101.608,75.692 101.58,75.65 101.571,75.6 101.571,42.379 80.129,42.379 80.129,50.221 90.55,50.221 90.6,50.23 90.642,50.258 90.67,50.3 90.679,50.35 90.679,93.571 121.85,93.571 121.9,93.58 121.942,93.608 121.97,93.65 121.979,93.7 121.979,110.121 125.4,110.121 125.45,110.13 125.492,110.158 125.52,110.2 125.529,110.25 125.529,126.617 131.271,126.617
3.3V_ESP on Int2 (PWR) (split plane): 108.621,107.979 100.25,107.979 100.209,107.971 100.208,107.972 85.95,107.972 85.9,107.962 85.858,107.934 85.83,107.892 85.821,107.842 85.821,92.479 83.6,92.479 83.55,92.47 83.508,92.442 83.48,92.4 83.471,92.35 83.471,57.329 65.7,57.329 65.65,57.32 65.608,57.292 65.58,57.25 65.571,57.2 65.571,56.7 65.571,51.3 65.58,51.25 65.608,51.208 65.65,51.18 65.7,51.171 71.371,51.171 71.371,42.929 60.904,42.929 43.442,60.392 43.429,60.4 43.429,102.95 43.42,103 43.392,103.042 43.35,103.07 43.3,103.079 31.679,103.079 31.679,108.271 47.75,108.271 47.8,108.28 47.842,108.308 47.87,108.35 47.879,108.4 47.879,112.771 53.221,112.771 53.27,112.78 53.312,112.808 55.142,114.638 55.17,114.68 55.179,114.729 55.179,120.1 55.17,120.15 55.142,120.192 55.1,120.22 55.05,120.229 43.429,120.229 43.429,126.617 57.8,126.617 57.8,120.3 82.95,120.3 82.95,126.617 108.621,126.617
4.4V on Int2 (PWR) (split plane): 100.121,93.829 90.55,93.829 90.5,93.82 90.458,93.792 90.43,93.75 90.421,93.7 90.421,50.479 80,50.479 79.95,50.47 79.908,50.442 79.88,50.4 79.871,50.35 79.871,42.379 74.929,42.379 74.929,51.3 74.92,51.35 74.892,51.392 74.85,51.42 74.8,51.429 65.829,51.429 65.829,56.7 65.829,57.071 83.6,57.071 83.65,57.08 83.692,57.108 83.72,57.15 83.729,57.2 83.729,92.221 85.95,92.221 86,92.23 86.042,92.258 86.07,92.3 86.079,92.35 86.079,107.713 100.121,107.713
5V on Int2 (PWR) (split plane): 43.171,120.1 43.18,120.05 43.208,120.008 43.25,119.98 43.3,119.971 54.921,119.971 54.921,114.783 53.167,113.029 47.75,113.029 47.7,113.02 47.658,112.992 47.63,112.95 47.621,112.9 47.621,108.529 31.55,108.529 31.5,108.52 31.458,108.492 31.43,108.45 31.421,108.4 31.421,102.95 31.43,102.9 31.458,102.858 31.5,102.83 31.55,102.821 43.171,102.821 43.171,60.35 43.18,60.3 43.208,60.258 43.238,60.238 43.258,60.208 60.758,42.708 60.8,42.68 60.85,42.671 71.5,42.671 71.55,42.68 71.592,42.708 71.62,42.75 71.629,42.8 71.629,51.171 74.671,51.171 74.671,42.25 74.68,42.2 74.708,42.158 74.75,42.13 74.8,42.121 101.7,42.121 101.75,42.13 101.792,42.158 101.82,42.2 101.829,42.25 101.829,75.471 120.5,75.471 120.5,39.133 29.71,39.133 29.71,43.2 25.783,43.2 25.783,122.69 29.85,122.69 29.85,126.617 43.171,126.617
SGND on Int1 (GND) (split plane): 122.721,87.979 88.229,87.979 88.229,126.617 122.721,126.617
PGND on Int1 (GND) (split plane): 143.29,122.55 147.217,122.55 147.217,87.75 122.929,87.75 122.942,87.758 122.97,87.8 122.979,87.85 122.979,126.617 143.29,126.617
DGND on Int1 (GND) (split plane): 82.721,95.429 58.029,95.429 58.029,120.3 82.721,120.3
PGND on Int1 (GND) (split plane): 87.971,87.85 87.98,87.8 88.008,87.758 88.05,87.73 88.1,87.721 120.5,87.721 120.5,39.133 29.71,39.133 29.71,43.2 25.783,43.2 25.783,122.69 29.85,122.69 29.85,126.617 57.771,126.617 57.771,95.3 57.78,95.25 57.808,95.208 57.85,95.18 57.9,95.171 82.85,95.171 82.9,95.18 82.942,95.208 82.97,95.25 82.979,95.3 82.979,126.617 87.971,126.617

## Keep-outs
Keep-Out Layer:
  lines w0.254: 25.4,125.15 25.4,125.73 cw(c26.67,125.73) 26.67,127 27.25,127 ; 25.4,125.4 25.4,40.6 25.4,40.02 ccw(c26.67,40.02) 26.67,38.75 27.25,38.75 145.75,38.75 146.33,38.75 ccw(c146.33,40.02) 147.6,40.02 147.6,40.6 147.6,125.4 ; 27,127 146,127 ; 145.75,127 146.33,127 cw(c146.33,125.73) 147.6,125.73 147.6,125.15

## Other copper
Top Layer:
  rectangle net 3.3V_ESP: 81.9,75.55 91.95,77.75
  pour cut-out: 147.6,38.75 147.6,87.75 120.5,87.75 120.5,38.75
  pour cut-out: 25.4,127 29.9,127 29.85,126.95 29.85,122.69 25.4,122.69
  pour cut-out: 57.85,127.05 57.85,120.3 82.95,120.3 82.95,127.05
Bottom Layer:
  region net 3.3V_ESP: 91.95,77.75 81.9,77.75 81.9,75.55 91.95,75.55
  pour cut-out: 120.5,38.75 120.5,87.75 147.6,87.75 147.6,38.75
  pour cut-out: 25.4,127 29.9,127 29.85,126.95 29.85,122.69 25.4,122.69
  pour cut-out: 57.9,127.049 57.9,120.299 82.85,120.299 82.85,127.049
Int1 (GND) (plane layer: these items are gaps in the copper):
  pour cut-out: 120.5,38.75 120.5,87.75 147.6,87.75 147.6,38.75
  pour cut-out: 25.4,38.75 25.4,43.25 25.45,43.2 29.71,43.2 29.71,38.75
  pour cut-out: 147.6,127 147.6,122.5 147.55,122.55 143.29,122.55 143.29,127
  pour cut-out: 25.4,127 29.9,127 29.85,126.95 29.85,122.69 25.4,122.69
  pour cut-out: 58,127.05 58,120.3 82.75,120.3 82.75,127.05
  lines w0.254: 59.2,127 57.9,127 57.9,95.3 82.85,95.3 82.85,127 81.55,127 ; 88.1,127.05 88.1,87.85 122.85,87.85 122.85,127
Int2 (PWR) (plane layer: these items are gaps in the copper):
  pour cut-out: 120.5,38.75 120.5,87.75 147.6,87.75 147.6,38.75
  pour cut-out: 147.6,127 147.6,122.5 147.55,122.55 143.29,122.55 143.29,127
  pour cut-out: 25.4,38.75 25.4,43.25 25.45,43.2 29.71,43.2 29.71,38.75
  pour cut-out: 25.4,127 29.9,127 29.85,126.95 29.85,122.69 25.4,122.69
  pour cut-out: 57.8,127.05 57.8,120.3 82.95,120.3 82.95,127.05
  lines w0.254: 43.3,60.35 43.3,102.95 32.7,102.95 31.55,102.95 31.55,108.4 43.35,108.4 47.75,108.4 47.75,112.9 53.221,112.9 55.05,114.729 55.05,120.1 43.3,120.1 43.3,126.9 44.85,126.9 ; 43.35,60.3 60.85,42.8 71.5,42.8 71.5,51.3 ; 80,42.35 80,50.35 90.55,50.35 90.55,93.7 121.85,93.7 121.85,110.25 125.4,110.25 125.4,127.15 ; 100.25,93.75 100.25,107.85 108.75,107.85 108.75,126.9 ; 100.25,107.8 100.208,107.842 85.95,107.842 85.95,92.35 83.6,92.35 83.6,57.2 65.7,57.2 65.7,56.7 65.7,51.3 71.5,51.3 ; 131.4,127 131.4,75.6 101.7,75.6 101.7,42.25 74.8,42.25 74.8,51.3 71.5,51.3

## Silkscreen, mask and mechanical layers (free items; w line width, h text height)
Top Overlay:
  lines w0.254: 60.5,78.05 60.5,96.45 ; 54.3,78.05 66.7,78.05 66.7,96.45 54.3,96.45 54.3,78.05
  text "GND" at 62.75,95.179 h0.75
  text "Out3" at 62.438,94.021 h0.75
  text "GND" at 62.75,92.863 h0.75
  text "12V" at 56.562,92.779 h0.75
  text "Out2" at 62.438,91.705 h0.75
  text "Sensor2" at 55,91.45 h0.75
  text "GND" at 62.75,90.547 h0.75
  text "GND" at 56.5,90.229 h0.75
  text "Out1" at 62.562,89.389 h0.75
  text "12V" at 56.562,88.9 h0.75
  text "JP5_1" at 62.125,88.106 h0.75
  text "Sensor1" at 55.125,87.7 h0.75
  text "JP5_2" at 62,86.823 h0.75
  text "GND" at 56.5,86.479 h0.75
  text "JP6_1" at 62.125,85.54 h0.75
  text "Button" at 55.5,85.45 h0.75
  text "JP5_1" at 62.125,84.257 h0.75
  text "GND" at 56.5,84.1 h0.75
  text "JP7_1" at 62.125,82.974 h0.75
  text "GND" at 56.5,82.9 h0.75
  text "12V" at 56.562,81.7 h0.75
  text "JP7_2" at 62,81.691 h0.75
  text "JP8_1" at 62.125,80.408 h0.75
  text "JP7_1" at 62.125,79.125 h0.75

## Text inside footprints (layer, text, board x,y; h text height)
D1: Mechanical 2 "K" at 68.34,69.505 h0.75 r270; Mechanical 2 "A" at 68.29,77.845 h0.75 r270
D2: Mechanical 2 "A" at 44.24,57.348 h0.75 r270; Mechanical 2 "K" at 44.24,51.748 h0.75 r270
D3: Mechanical 2 "A" at 61.559,59.557 h0.75 r270; Mechanical 2 "K" at 61.609,51.217 h0.75 r270
D4: Mechanical 2 "K" at 38.05,43 h0.75 r270; Mechanical 2 "A" at 38.05,48.6 h0.75 r270
D7: Mechanical 2 "A" at 50.63,120.575 h0.75 r270; Mechanical 2 "K" at 50.63,114.975 h0.75 r270
ESD1: Mechanical 2 "6" at 112.709,117.664 h0.75; Mechanical 2 "4" at 114.656,117.685 h0.75; Mechanical 2 "3" at 114.656,116.588 h0.75; Mechanical 2 "1" at 112.785,116.65 h0.75
GSM1: Mechanical 1 "HD?" at 85.9,105.8 h0.75 r90; Mechanical 1 "2" at 86.204,106.766 h0.75 r90; Mechanical 1 "1" at 86.204,104.226 h0.75 r90
IC1: Mechanical 1 "GND" at 33.75,128.2 h0.75 r270; Mechanical 1 "VCC" at 33.35,126.7 h0.75 r180; Mechanical 1 "OUT" at 37.75,126.7 h0.75 r180; Mechanical 1 "3" at 37.044,124.254 h0.75 r180; Mechanical 1 "1" at 31.964,124.254 h0.75 r180
IC2: Mechanical 1 "GND" at 24.629,104.529 h0.75; Mechanical 1 "VCC" at 26.129,104.129 h0.75 r270; Mechanical 1 "OUT" at 26.129,108.529 h0.75 r270; Mechanical 1 "3" at 28.575,107.823 h0.75 r270; Mechanical 1 "1" at 28.575,102.743 h0.75 r270
IC3: Mechanical 3 "1" at 41.194,119.775 h0.75 r180; Mechanical 3 "7" at 43.994,119.775 h0.75 r180; Mechanical 3 "8" at 44.894,119.175 h0.75 r90; Mechanical 3 "14" at 44.794,116.875 h0.75 r90; Mechanical 3 "15" at 43.694,115.775 h0.75 r180; Mechanical 3 "21" at 40.994,115.775 h0.75 r180; Mechanical 3 "22" at 41.094,116.775 h0.75 r90; Mechanical 3 "28" at 40.994,119.275 h0.75 r90
IC4: Mechanical 2 "42" at 102.988,100.666 h0.75 r180; Mechanical 2 "34" at 102.988,109.466 h0.75 r180; Mechanical 2 "33" at 105.477,108.477 h0.75 r90; Mechanical 2 "22" at 117.577,108.477 h0.75 r90; Mechanical 2 "21" at 117.938,109.416 h0.75 r180; Mechanical 2 "13" at 117.938,100.766 h0.75 r180; Mechanical 2 "12" at 117.527,95.727 h0.75 r90; Mechanical 2 "1" at 105.427,95.727 h0.75 r90
J6: Mechanical 3 "GND" at 123.421,112.758 h0.75 r90; Mechanical 3 "GND" at 123.421,125.36 h0.75 r90; Mechanical 3 "GND" at 106.987,125.36 h0.75 r90; Mechanical 3 "GND" at 106.987,112.758 h0.75 r90; Mechanical 3 "5" at 108.61,110.163 h0.75 r180; Mechanical 3 "3" at 114.975,110.168 h0.75 r180; Mechanical 3 "7" at 113.73,110.17 h0.75 r180; Mechanical 3 "2" at 112.431,110.167 h0.75 r180; Mechanical 3 "6" at 111.14,110.168 h0.75 r180; Mechanical 3 "1" at 109.92,110.17 h0.75 r180
JP1: Mechanical 2 "2" at 31.569,52.221 h0.75 r90; Mechanical 2 "1" at 31.569,47.341 h0.75 r90
JP2: Mechanical 2 "2" at 31.6,75.52 h0.75 r90; Mechanical 2 "1" at 31.6,70.64 h0.75 r90; Mechanical 2 "3" at 31.6,80.6 h0.75 r90
JP3: Mechanical 2 "2" at 31.6,92.18 h0.75 r90; Mechanical 2 "1" at 31.6,87.3 h0.75 r90; Mechanical 2 "3" at 31.6,97.26 h0.75 r90
JP4: Mechanical 2 "2" at 31.6,63.85 h0.75 r90; Mechanical 2 "1" at 31.6,58.97 h0.75 r90
JP5: Mechanical 2 "2" at 141.3,79.57 h0.75 r270; Mechanical 2 "1" at 141.3,84.45 h0.75 r270
JP6: Mechanical 2 "2" at 141.3,67.82 h0.75 r270; Mechanical 2 "1" at 141.3,72.7 h0.75 r270
JP7: Mechanical 2 "2" at 141.3,56.07 h0.75 r270; Mechanical 2 "1" at 141.3,60.95 h0.75 r270
JP8: Mechanical 2 "2" at 141.3,44.32 h0.75 r270; Mechanical 2 "1" at 141.3,49.2 h0.75 r270
JP9: Mechanical 2 "2" at 141.3,91.255 h0.75 r270; Mechanical 2 "1" at 141.3,96.135 h0.75 r270
JP10: Mechanical 2 "2" at 141.3,102.955 h0.75 r270; Mechanical 2 "1" at 141.3,107.835 h0.75 r270
JP11: Mechanical 2 "1" at 141.3,119.535 h0.75 r270; Mechanical 2 "2" at 141.3,114.655 h0.75 r270
Q1: Mechanical 2 "B" at 97.685,81.711 h0.75 r270; Mechanical 2 "C" at 98.535,81.011 h0.75 r270; Mechanical 2 "E" at 97.685,80.311 h0.75 r270
Q2: Mechanical 2 "B" at 97.635,58.523 h0.75 r270; Mechanical 2 "C" at 98.485,57.823 h0.75 r270; Mechanical 2 "E" at 97.635,57.123 h0.75 r270
Q3: Mechanical 3 "C" at 32.152,119.911 h0.75 r90; Mechanical 3 "B" at 33.352,118.861 h0.75 r90; Mechanical 3 "E" at 33.252,120.861 h0.75 r90
Q4: Mechanical 3 "C" at 32.084,116.421 h0.75 r90; Mechanical 3 "B" at 33.284,115.371 h0.75 r90; Mechanical 3 "E" at 33.184,117.371 h0.75 r90
Q5: Mechanical 1 "C" at 93.049,95.025 h0.75 r90; Mechanical 1 "E" at 95.249,96.025 h0.75 r90; Mechanical 1 "B" at 95.249,94.125 h0.75 r90; Mechanical 1 "Q?" at 93.949,95.145 h0.75 r90
Q6: Mechanical 1 "C" at 93.065,100.441 h0.75 r90; Mechanical 1 "E" at 95.265,101.441 h0.75 r90; Mechanical 1 "B" at 95.265,99.541 h0.75 r90; Mechanical 1 "Q?" at 93.965,100.561 h0.75 r90
RL1: Mechanical 2 "2" at 111.427,81.867 h0.75 r270; Mechanical 2 "1" at 111.427,71.767 h0.75 r270; Mechanical 2 "3" at 124.227,85.767 h0.75 r270; Mechanical 2 "4" at 126.627,67.967 h0.75 r270
RL2: Mechanical 2 "4" at 126.627,44.46 h0.75 r270; Mechanical 2 "3" at 124.227,62.26 h0.75 r270; Mechanical 2 "1" at 111.427,48.26 h0.75 r270; Mechanical 2 "2" at 111.427,58.36 h0.75 r270
U1: Mechanical 2 "1" at 64.307,67.032 h0.75 r270; Mechanical 2 "4" at 64.307,63.347 h0.75 r270; Mechanical 2 "5" at 66.625,63.347 h0.75 r270; Mechanical 2 "8" at 64.822,63.288 h0.75 r270
U2: Mechanical 2 "1" at 57.195,48.998 h0.75 r270; Mechanical 2 "4" at 57.195,45.313 h0.75 r270; Mechanical 2 "5" at 59.513,45.313 h0.75 r270; Mechanical 2 "8" at 57.71,45.254 h0.75 r270
U3: Mechanical 2 "5" at 83.115,81.406 h0.75 r90; Mechanical 2 "4" at 83.077,83.297 h0.75 r90; Mechanical 2 "3" at 84.196,83.326 h0.75 r90; Mechanical 2 "1" at 84.201,81.425 h0.75 r90
U4: Mechanical 2 "5" at 80.636,45.824 h0.75 r270; Mechanical 2 "4" at 80.674,43.933 h0.75 r270; Mechanical 2 "3" at 79.555,43.904 h0.75 r270; Mechanical 2 "1" at 79.55,45.805 h0.75 r270
U5: Mechanical 2 "38" at 80.36,118.571 h0.75 r90; Mechanical 2 "25" at 80.36,101.971 h0.75 r90; Mechanical 2 "24" at 76.66,101.571 h0.75; Mechanical 2 "15" at 65.26,101.571 h0.75; Mechanical 2 "14" at 63.66,102.171 h0.75 r90; Mechanical 2 "1" at 63.66,119.071 h0.75 r90
U6: Mechanical 2 "E" at 44.695,78.063 h0.75; Mechanical 2 "K" at 39.295,78.069 h0.75; Mechanical 2 "A" at 39.295,79.863 h0.75; Mechanical 2 "C" at 44.695,80.663 h0.75
U7: Mechanical 2 "E" at 44.695,88.597 h0.75; Mechanical 2 "K" at 39.295,88.603 h0.75; Mechanical 2 "A" at 39.295,90.397 h0.75; Mechanical 2 "C" at 44.695,91.197 h0.75
U8: Mechanical 2 "E" at 44.695,68.554 h0.75; Mechanical 2 "K" at 39.295,68.56 h0.75; Mechanical 2 "A" at 39.295,70.354 h0.75; Mechanical 2 "C" at 44.695,71.154 h0.75
U9: Mechanical 2 "E" at 132.6,92 h0.75; Mechanical 2 "K" at 127.2,92.006 h0.75; Mechanical 2 "A" at 127.2,93.8 h0.75; Mechanical 2 "C" at 132.6,94.6 h0.75
U10: Mechanical 2 "C" at 97.35,69.341 h0.75 r270; Mechanical 2 "A" at 96.55,74.741 h0.75 r270; Mechanical 2 "K" at 94.756,74.741 h0.75 r270; Mechanical 2 "E" at 94.75,69.341 h0.75 r270
U11: Mechanical 2 "E" at 132.6,103.395 h0.75; Mechanical 2 "K" at 127.2,103.401 h0.75; Mechanical 2 "A" at 127.2,105.195 h0.75; Mechanical 2 "C" at 132.6,105.995 h0.75
U12: Mechanical 2 "E" at 94.75,47.4 h0.75 r270; Mechanical 2 "K" at 94.756,52.8 h0.75 r270; Mechanical 2 "A" at 96.55,52.8 h0.75 r270; Mechanical 2 "C" at 97.35,47.4 h0.75 r270
U13: Mechanical 2 "E" at 132.6,115.095 h0.75; Mechanical 2 "K" at 127.2,115.101 h0.75; Mechanical 2 "A" at 127.2,116.895 h0.75; Mechanical 2 "C" at 132.6,117.695 h0.75
U14: Mechanical 2 "5" at 48.237,111.818 h0.75 r270; Mechanical 2 "4" at 48.275,109.927 h0.75 r270; Mechanical 2 "3" at 47.156,109.898 h0.75 r270; Mechanical 2 "1" at 47.151,111.799 h0.75 r270
USB1: Mechanical 2 "5" at 41.582,123.809 h0.75 r180; Mechanical 2 "1" at 43.982,123.809 h0.75 r180